# Altium PCB Tracker_v1_1_small_1.PcbDoc (continued)
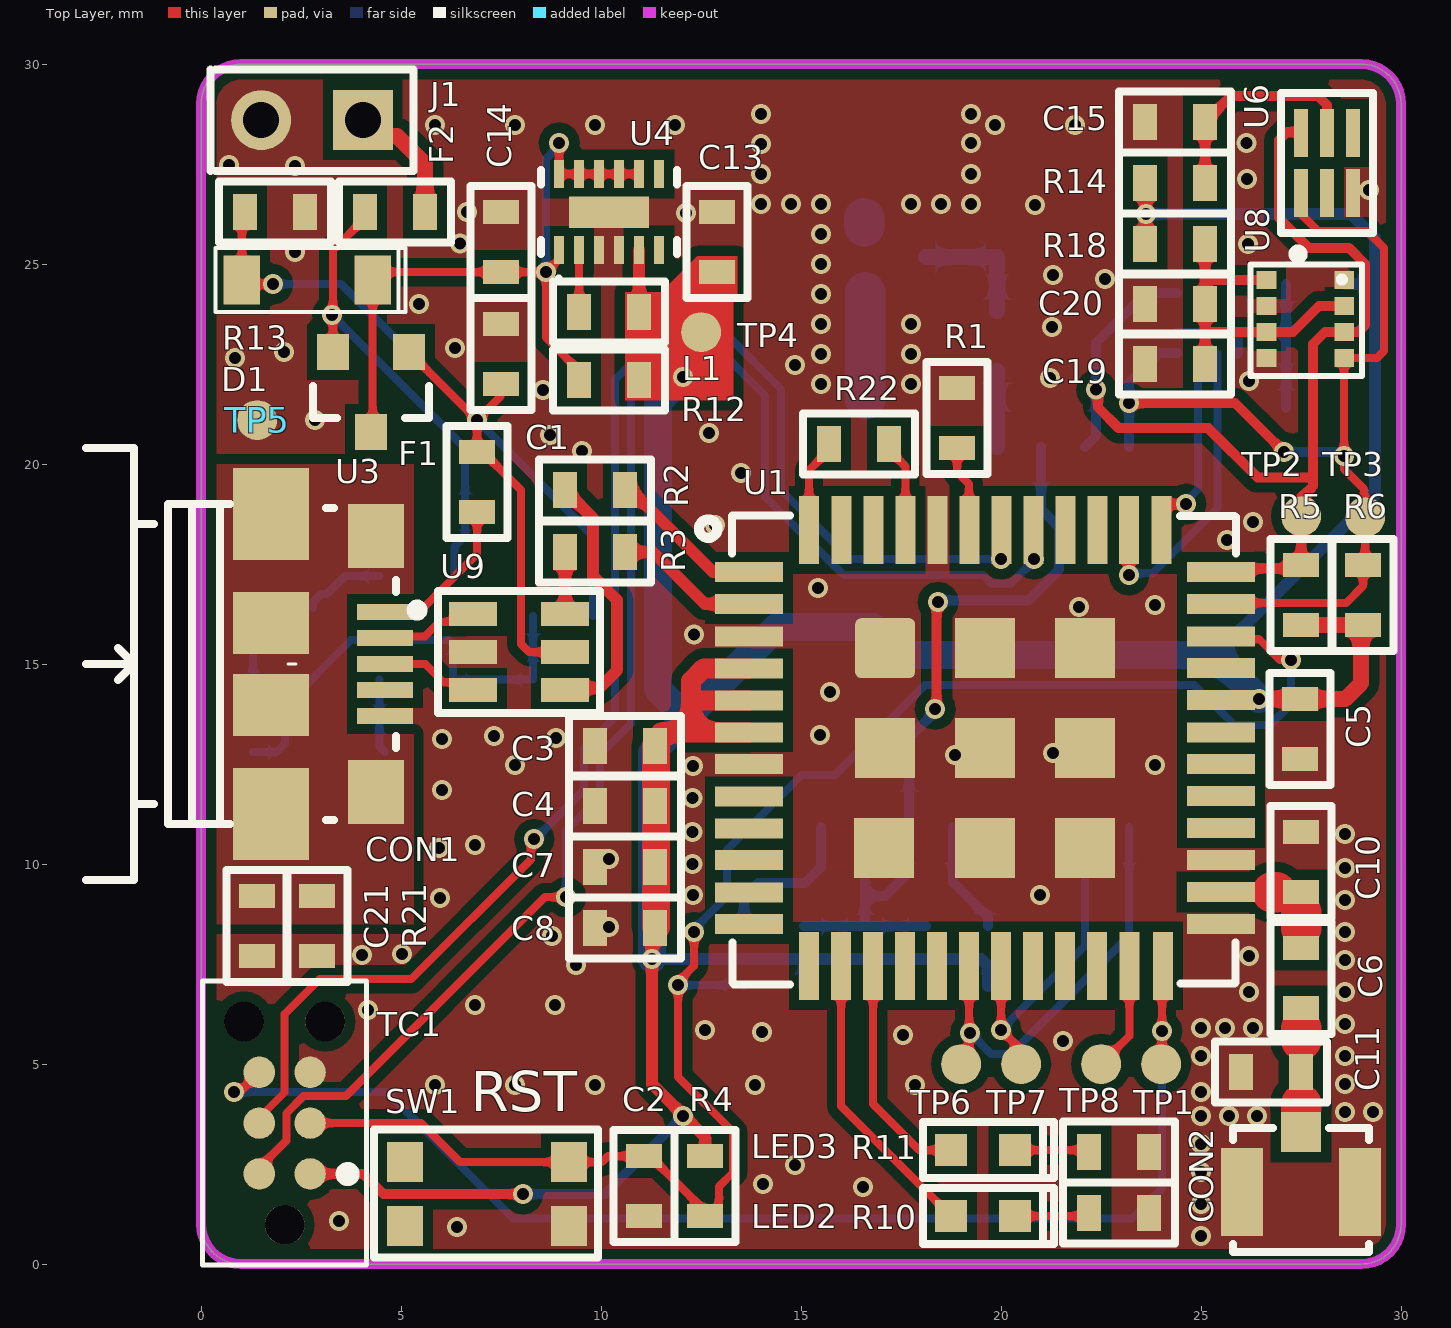
[diagram p0: Top Layer view]
## Footprints (in the part's own frame and the unit in brackets; to place one, negate y for a bottom-side part, rotate by r counter-clockwise, add the part's x,y. Pads: shape width x height; smd on the part's side, far side on the other; paste and mask are expansions set on the pad) (continued)
  round 39.02 hole 39.02 unplated: None(-100,0) None(100,-40) None(100,40)
  silkscreen extent -140,-81 140,81
"TEST POINT 1X1mm"#1 [mm]
  round 1 smd far side paste-10: 0(1.2,0.1)
  rect 1x1 on Mech16 paste-10: 1(0,0)
"TEST POINT 1X1mm"#2 [mm]
  round 1 smd paste-10: 0(0,0)
  rect 1x1 on Mech16 paste-10: 1(0,0)
"TEST POINT 1X1mm"#3 [mm]
  round 1 smd paste-10: 0(-0.2,-0.075)
  rect 1x1 on Mech16 paste-10: 1(0,0)
"TEST POINT 1X1mm"#4 [mm]
  round 1 smd paste-10: 0(-0.2,-0.025)
  rect 1x1 on Mech16 paste-10: 1(0,0)
"TEST POINT 1X1mm"#5 [mm]
  round 1 smd paste-10: 0(1.15,-0.05)
  rect 1x1 on Mech16 paste-10: 1(0,0)
TPS62740DSSR [mm]
  rect 0.7x0.25 smd: 1(0,0) 2(0,-0.5) 3(0,-1) 4(0,-1.5) 5(0,-2) 6(0,-2.5) 7(1.9,-2.5) 8(1.9,-2) 9(1.9,-1.5) 10(1.9,-1) 11(1.9,-0.5) 12(1.9,0)
  rect 0.79x2 smd: 13(0.95,-1.25)
  silkscreen extent -0.76,-2.95 2,0.45, body extent -0.18,-2.8 2.08,0.3, height 0.8
TSL2591 [mm]
  rect 1.2x0.35 smd: 1(0,0) 2(0,-0.65) 3(0,-1.3) 4(1.5,-1.3) 5(1.5,-0.65) 6(1.5,0)
  silkscreen extent -1.64,-1.8 2.5,0.5, body extent -0.23,-1.87 1.77,0.53, height 0.7
"Ublox MAX M8" [mm]
  rect 1.8x0.7 smd: 1(0,0) 9(0,-8.8) 10(9.5,-8.8) 18(9.5,0)
  rect 1.8x0.8 smd: 2(0,-1.1) 3(0,-2.2) 4(0,-3.3) 5(0,-4.4) 6(0,-5.5) 7(0,-6.6) 8(0,-7.7) 11(9.5,-7.7) 12(9.5,-6.6) 13(9.5,-5.5) 14(9.5,-4.4) 15(9.5,-3.3) 16(9.5,-2.2) 17(9.5,-1.1)
  silkscreen extent -2.25,-9.44 9.51,0.66, body extent -0.21,-9.44 9.49,0.66, height 2.45
USBLC6-2SC6 [mm]
  rect 1.2x0.6 smd: 1(0,0) 2(0,-0.95) 3(0,-1.9) 4(2.3,-1.9) 5(2.3,-0.95) 6(2.3,0)
  silkscreen extent -1.53,-2.47 3.17,0.58, body extent -0.36,-2.47 2.71,0.58, height 1.39

## Part data
C1 C4 C8 C13 C14 C17 C20 C23: library part C0603C106M8PACTU, "CAP CER 10UF 10V X5R 0603", Manufacturer=KEMET, Supplier Part Number 1=2820985RL, Manufacturer Part Number=C0603C106M8PACTU, Pricing 1="150=0.424, 500=0.311, 1000=0.26 (EUR)", Stock 1=0, Supplier 1=Farnell
C2 C3 C7 C9 C10 C11 C18 C19 C21 C22: library part C0603C104J3RACTU, "CAP CER 0.1UF 25V X7R 0603", Capacitance=100nF, Case/Package=0603, Case Code (Metric)=1608, Dielectric=X7R, Dielectric Material=Ceramic, Manufacturer=KEMET, Max Operating Temperature=125°C, Min Operating Temperature=-55°C, Package Quantity=4000, Supplier Part Number 1=1650833RL, Tolerance=5%, Voltage=25V, Case Code (Imperial)=0603, ComponentLink1Description=https://www.verical.com/server-webapp/html/getDatasheet?partID=33575&src-supplier=Verical, ComponentLink1URL=https://www.verical.com/server-webapp/html/getDatasheet?partID=33575&src-supplier=Verical, ComponentLink2Description=http://www.farnell.com/datasheets/1851736.pdf?src-supplier=Element14, ComponentLink2URL=http://www.farnell.com/datasheets/1851736.pdf?src-supplier=Element14, ComponentLink3Description=https://www.alliedelec.com/m/d/9bfe7773041ffe9d406e68bc7b377fdd.pdf?src-supplier=Allied+Electronics, ComponentLink3URL=https://www.alliedelec.com/m/d/9bfe7773041ffe9d406e68bc7b377fdd.pdf?src-supplier=Allied+Electronics, ComponentLink4Description=http://www.kemet.com/kemet/web/homepage/kechome.nsf/vapubfiles/KEM_C1002_X7R_SMD.pdf/$file/KEM_C1002_X7R_SMD.pdf?src-supplier=Element14, ComponentLink4URL=http://www.kemet.com/kemet/web/homepage/kechome.nsf/vapubfiles/KEM_C1002_X7R_SMD.pdf/$file/KEM_C1002_X7R_SMD.pdf?src-supplier=Element14, Contact Plating=Tin,Matte, Depth=0.8mm, Height=0.8mm, Lead Pitch=0.7mm, Length=1.6mm, Manufacturer Part Number=C0603C104J3RACTU, Mount="Surface Mount,PCB", Number of Pins=2, Packaging="Tape and Reel", Pricing 1="150=0.158, 500=0.132, 1000=0.12 (EUR)", Radiation Hardening=No, REACH SVHC="No SVHC", Stock 1=0, Supplier 1=Farnell, Termination=SMD/SMT, Thickness=0.034inch, Voltage Rating=25V, Voltage Rating (DC)=25V, Width=0.031inch
C5 C15: library part C0603C105K8RACTU, "Cap Ceramic 1uF 10V X7R 10% SMD 0603 125C T/R", Case/Package=0603, Case Code (Metric)=1608, Dielectric=X7R, Dielectric Material=Ceramic, Manufacturer=KEMET, Max Operating Temperature=125°C, Min Operating Temperature=-55°C, Package Quantity=1, Supplier Part Number 1=2522396RL, Tolerance=10%, Voltage Rating=10V, Capacitance=1uF, Case Code (Imperial)=0603, ComponentLink1Description=https://www.verical.com/server-webapp/html/getDatasheet?partID=212378&src-supplier=Verical, ComponentLink1URL=https://www.verical.com/server-webapp/html/getDatasheet?partID=212378&src-supplier=Verical, Contact Plating=Tin,Matte, Depth=0.8mm, Dissipation Factor=5%, Height=0.8mm, Length=1.6mm, Manufacturer Part Number=C0603C105K8RACTU, Mount="Surface Mount", Packaging="Tape and Reel", Pricing 1="150=0.0567, 500=0.0425, 1000=0.0372 (EUR)", Radiation Hardening=No, REACH SVHC="No SVHC", Stock 1=0, Supplier 1=Farnell, Termination=SMD/SMT, Thickness=0.035inch, Voltage Rating (DC)=10V, Width=0.8mm
C6: library part C0603C101K5GACTU, "Cap Ceramic 100pF 50V C0G 10% SMD 0603 125C Paper T/R", Case/Package=0603, Case Code (Metric)=1608, Dielectric=C0G, Dielectric Material=Ceramic, Manufacturer=KEMET, Max Operating Temperature=125°C, Min Operating Temperature=-55°C, Package Quantity=1, Supplier Part Number 1=1823375, Tolerance=10%, Voltage Rating=50V, Capacitance=100pF, Case Code (Imperial)=0603, ComponentLink1Description=http://www.onlinecomponents.com/productFiles/mf-KEM/kem_c1003_c0g_smd.pdf?src-supplier=Onlinecomponents.com, ComponentLink1URL=http://www.onlinecomponents.com/productFiles/mf-KEM/kem_c1003_c0g_smd.pdf?src-supplier=Onlinecomponents.com, ComponentLink2Description=https://www.verical.com/server-webapp/html/getDatasheet?partID=77366&src-supplier=Verical, ComponentLink2URL=https://www.verical.com/server-webapp/html/getDatasheet?partID=77366&src-supplier=Verical, ComponentLink3Description=http://www.farnell.com/datasheets/1828801.pdf?src-supplier=Element14, ComponentLink3URL=http://www.farnell.com/datasheets/1828801.pdf?src-supplier=Element14, ComponentLink4Description=http://www.mouser.com/ds/2/212/KEM_C1003_C0G_SMD-1101588.pdf?src-supplier=Mouser, ComponentLink4URL=http://www.mouser.com/ds/2/212/KEM_C1003_C0G_SMD-1101588.pdf?src-supplier=Mouser, Contact Plating=Tin,Matte, Depth=0.8mm, Dissipation Factor=0.1%, Height=0.8mm, Lead Free="Lead Free", Lead Pitch=0.7mm, Length=1.6mm, Manufacturer Part Number=C0603C101K5GACTU, Mount="Surface Mount,PCB", Packaging="Tape and Reel", Radiation Hardening=No, REACH SVHC="No SVHC", Stock 1=0, Supplier 1=Farnell, Termination=SMD/SMT, Thickness=0.034inch, Voltage Rating (DC)=50V, Width=0.031inch
C12: library part C0603C475K9PACTU, "CAP CER 4.7UF 6.3V X5R 0603", Case/Package=0603, Case Code (Metric)=1608, Dielectric=X5R, Dielectric Material=Ceramic, Manufacturer=KEMET, Max Operating Temperature=85°C, Min Operating Temperature=-55°C, Package Quantity=1, Supplier Part Number 1=1310155, Tolerance=10%, Voltage=6.3V, Capacitance=4.7uF, Case Code (Imperial)=0603, ComponentLink1Description=https://api.kemet.com/component-edge/download/datasheet/C0603C475K9PACTU.pdf?src-supplier=Digi-Key, ComponentLink1URL=https://api.kemet.com/component-edge/download/datasheet/C0603C475K9PACTU.pdf?src-supplier=Digi-Key, ComponentLink2Description=http://www.farnell.com/datasheets/1732700.pdf?src-supplier=Element14, ComponentLink2URL=http://www.farnell.com/datasheets/1732700.pdf?src-supplier=Element14, ComponentLink3Description=http://www.farnell.com/datasheets/1789732.pdf?src-supplier=Element14, ComponentLink3URL=http://www.farnell.com/datasheets/1789732.pdf?src-supplier=Element14, ComponentLink4Description=http://www.farnell.com/datasheets/40889.pdf?src-supplier=Element14, ComponentLink4URL=http://www.farnell.com/datasheets/40889.pdf?src-supplier=Element14, Contact Plating=Tin,Matte, Depth=0.8mm, Dissipation Factor=5%, Height=0.8mm, Lead Free="Lead Free", Lead Pitch=0.7mm, Length=1.6mm, Manufacturer Part Number=C0603C475K9PACTU, Mount="Surface Mount,PCB", Number of Pins=2, Packaging="Tape and Reel", Radiation Hardening=No, REACH SVHC="No SVHC", Stock 1=0, Supplier 1=Farnell, Termination=SMD/SMT, Thickness=0.035inch, Voltage Rating=6.3V, Voltage Rating (DC)=6.3V, Width=0.031inch
C16: library part C0603C103J3GACTU, "0603 C 10nF Ceramic Multilayer Capacitor, 25 V, +125degC, C0G Dielectric, +/-5%", Case/Package=0603, Case Code (Metric)=1608, Dielectric=C0G, Dielectric Material=Ceramic, Manufacturer=KEMET, Max Operating Temperature=125°C, Min Operating Temperature=-55°C, Package Quantity=4000, Supplier Part Number 1=C0603C103J3GACTU-ND, Temperature Coefficient=30ppm/°C, Tolerance=5%, Voltage=50V, Voltage Rating=25V, Capacitance=10nF, Case Code (Imperial)=0603, ComponentLink1Description=https://www.verical.com/server-webapp/html/getDatasheet?partID=556319&src-supplier=Verical, ComponentLink1URL=https://www.verical.com/server-webapp/html/getDatasheet?partID=556319&src-supplier=Verical, ComponentLink2Description=http://www.farnell.com/datasheets/2315092.pdf?src-supplier=Farnell, ComponentLink2URL=http://www.farnell.com/datasheets/2315092.pdf?src-supplier=Farnell, ComponentLink3Description=http://www.farnell.com/datasheets/1732695.pdf?src-supplier=Element14, ComponentLink3URL=http://www.farnell.com/datasheets/1732695.pdf?src-supplier=Element14, ComponentLink4Description=http://www.mouser.com/ds/2/212/KEM_C1003_C0G_SMD-1101588.pdf?src-supplier=Mouser, ComponentLink4URL=http://www.mouser.com/ds/2/212/KEM_C1003_C0G_SMD-1101588.pdf?src-supplier=Mouser, Contact Plating=Tin,Matte, Depth=0.8mm, Dissipation Factor=0.1%, Height=0.8mm, Lead Free="Lead Free", Length=1.6mm, Manufacturer Part Number=C0603C103J3GACTU, Mount="Surface Mount", Number of Pins=2, Packaging="Tape and Reel", Radiation Hardening=No, REACH SVHC="No SVHC", Stock 1=0, Supplier 1=Digi-Key, Termination=SMD/SMT, Thickness=0.034inch, Voltage Rating (DC)=25V, Width=0.8mm
CON1: "AMPHENOL FCI - 10104110-0001LF - MICRO USB, 2.0 TYPE B, RECEPTACLE, SMT", Manufacturer="AMPHENOL FCI", Manufacturer Part Number=10104110-0001LF, Supplier Part Number 1=2293753, ComponentLink1Description=http://www.farnell.com/datasheets/1469072.pdf, ComponentLink1URL=http://www.farnell.com/datasheets/1469072.pdf, Connector Mounting="Surface Mount", Connector Type="USB Micro B", Contact Material="Copper Alloy", Contact Plating="Gold Plated Contacts", Contact Termination="Surface Mount Right Angle", Contact Termination Type="Surface Mount", Gender=Receptacle, No. of Contacts="5Contacts<!--FANDB--><div class=\"features-and-benefits-container\"><div class=\"features-and-benefits-description\"><span class=\"features-benefits-value\">The 10104110-0001LF is a micro-USB type-B Receptacle Connector, comply with physical, electrical and environmental requirements of micro-USB standard (USB 2.0). Space receptacles and plugs are available in a wide variety of mounting and termination configurations, permitting their use in various applications. Compared with the standard mini-B connectors, the size is reduced by approximately 60% while still allowing a high-speed data transfer of 480", No. of Positions=5, Orientation="Right Angle", Pricing 1="1=0.464, 10=0.451, 25=0.437, 50=0.424, 100=0.41, 250=0.291 (GBP)", Product Range=-, RoHS=YES, Stock 1=25585, Supplier 1=Farnell, SVHC="No SVHC (15-Jun-2015)", USB Connector Type="Micro USB Type B", USB Standard="USB 2.0"
CON2 CON3: "RF Connectors / Coaxial Connectors MCX V PCB JACK SMT 1.25MM MNT HGT", Frequency=6GHz, Insulation Resistance=500MR, Manufacturer=Molex, Max Operating Temperature=90°C, Min Operating Temperature=-40°C, Package Quantity=5000, Supplier Part Number 1=1340200, Voltage Rating=60V, Body Material="Liquid Crystal Polymer,Polymer", Body Plating=Gold, ComponentLink1Description=http://www.molex.com/webdocs/datasheets/pdf/en-us/0734120110_RF_COAX_CONNECTORS.pdf?src-supplier=Avnet+Europe, ComponentLink1URL=http://www.molex.com/webdocs/datasheets/pdf/en-us/0734120110_RF_COAX_CONNECTORS.pdf?src-supplier=Avnet+Europe, ComponentLink2Description=http://uk.rs-online.com/webdocs/13c4/0900766b813c49d5.pdf?src-supplier=RSComponents, ComponentLink2URL=http://uk.rs-online.com/webdocs/13c4/0900766b813c49d5.pdf?src-supplier=RSComponents, ComponentLink3Description=http://www.farnell.com/datasheets/1841262.pdf?src-supplier=Farnell, ComponentLink3URL=http://www.farnell.com/datasheets/1841262.pdf?src-supplier=Farnell, ComponentLink4Description=http://www.molex.com/webdocs/datasheets/pdf/en-us/0734120110_RF_COAX_CONNECTORS.pdf?src-supplier=Mouser, ComponentLink4URL=http://www.molex.com/webdocs/datasheets/pdf/en-us/0734120110_RF_COAX_CONNECTORS.pdf?src-supplier=Mouser, ComponentLink5Description=http://www.onlinecomponents.com/productFiles/mf-MOL/1387750734120110_rf_coax_nectors.pdf?src-supplier=Onlinecomponents.com, ComponentLink5URL=http://www.onlinecomponents.com/productFiles/mf-MOL/1387750734120110_rf_coax_nectors.pdf?src-supplier=Onlinecomponents.com, ComponentLink6Description=http://www.farnell.com/datasheets/1808577.pdf?src-supplier=Element14, ComponentLink6URL=http://www.farnell.com/datasheets/1808577.pdf?src-supplier=Element14, ComponentLink7Description=http://www.molex.com/webdocs/datasheets/pdf/en-us/0734120110_RF_COAX_CONNECTORS.pdf?src-supplier=Avnet, ComponentLink7URL=http://www.molex.com/webdocs/datasheets/pdf/en-us/0734120110_RF_COAX_CONNECTORS.pdf?src-supplier=Avnet, Connector Type=Coaxial, Contact Material=Brass,Bronze, Contact Plating=Gold, Gender=Female, Halogen Free="Low Halogen", Impedance=50R, Lead Free="Lead Free", Manufacturer Part Number=73412-0110, Material=Bronze, Mating Cycles=30, Max Frequency=6GHz, Mount="PCB,Surface Mount,Through Hole", Orientation=Straight, Packaging="Tape and Reel", Polarity=Standard, Pricing 1="1=0.402, 150=0.368, 400=0.334, 1250=0.327, 2500=0.32 (EUR)", Radiation Hardening=No, REACH SVHC=Unknown, Stock 1=4654, Supplier 1=Farnell, Termination=Solder, Voltage Rating (AC)=60V
D1: "DIODE SCHOTTKY 20V 1A SOD123FL", Average Rectified Current=1A, Forward Voltage=340mV, Manufacturer="ON Semiconductor", Max Forward Surge Current (Ifsm)=45A, Max Operating Temperature=125°C, Max Repetitive Reverse Voltage (Vrrm)=20V, Max Reverse Leakage Current=600uA, Min Operating Temperature=-65°C, Package Quantity=3000, Supplier Part Number 1=2393584, ComponentLink1Description=http://www.farnell.com/datasheets/85900.pdf?src-supplier=Element14, ComponentLink1URL=http://www.farnell.com/datasheets/85900.pdf?src-supplier=Element14, ComponentLink2Description=http://www.onsemi.cn/pub_link/Collateral/MBR120VLSFT1-D.PDF?src-supplier=Avnet+Europe, ComponentLink2URL=http://www.onsemi.cn/pub_link/Collateral/MBR120VLSFT1-D.PDF?src-supplier=Avnet+Europe, ComponentLink3Description=https://www.alliedelec.com/m/d/71572cff3445748bb7aa75769c4030bb.pdf?src-supplier=Allied+Electronics, ComponentLink3URL=https://www.alliedelec.com/m/d/71572cff3445748bb7aa75769c4030bb.pdf?src-supplier=Allied+Electronics, ComponentLink4Description=http://www.onsemi.com/pub/Collateral/MBR120VLSFT1-D.PDF?src-supplier=Future+Electronics, ComponentLink4URL=http://www.onsemi.com/pub/Collateral/MBR120VLSFT1-D.PDF?src-supplier=Future+Electronics, ComponentLink5Description=http://www.onsemi.com/pub/Collateral/MBR120VLSFT1-D.PDF?src-supplier=Digi-Key, ComponentLink5URL=http://www.onsemi.com/pub/Collateral/MBR120VLSFT1-D.PDF?src-supplier=Digi-Key, ComponentLink6Description=http://www.onsemi.cn/pub_link/Collateral/MBR120VLSFT1-D.PDF?src-supplier=Avnet+Asia, ComponentLink6URL=http://www.onsemi.cn/pub_link/Collateral/MBR120VLSFT1-D.PDF?src-supplier=Avnet+Asia, Contact Plating=Tin,Matte, Current Rating=1A, Element Configuration=Single, Forward Current=1A, Halogen Free="Halogen Free", Height=0.9mm, Lead Free="Lead Free", Length=2.9mm, Manufacturer Part Number=MBR120VLSFT1G, Max Reverse Voltage (DC)=20V, Max Surge Current=45A, Number of Pins=2, Output Current=1A, Packaging="Tape and Reel", Peak Non-Repetitive Surge Current=45A, Peak Reverse Current=600uA, Polarity=Standard, Radiation Hardening=No, REACH SVHC="No SVHC", Stock 1=0, Supplier 1=Farnell, Voltage Rating (DC)=20V, Width=1.8mm
F1 F2: library part 046701.5NR, "FUSE BOARD MNT 1.5A 32VAC 65VDC", Case/Package=0603, Case Code (Metric)=1608, DC Cold Resistance=38.5mR, Manufacturer=Littelfuse, Max Operating Temperature=90°C, Min Operating Temperature=-55°C, Package Quantity=5000, Power Dissipation=121.7mW, Resistance=41mR, Supplier Part Number 1=1596948RL, Voltage Rating=32V, Approvals=UL,CSA, Body Material=Thermoplastic, Case Code (Imperial)=0603, ComponentLink1Description=http://www.farnell.com/datasheets/1851810.pdf?src-supplier=Element14, ComponentLink1URL=http://www.farnell.com/datasheets/1851810.pdf?src-supplier=Element14, ComponentLink2Description=http://www.littelfuse.com/~/media/electronics/datasheets/fuses/littelfuse_fuse_467_datasheet.pdf.pdf?src-supplier=Digi-Key, ComponentLink2URL=http://www.littelfuse.com/~/media/electronics/datasheets/fuses/littelfuse_fuse_467_datasheet.pdf.pdf?src-supplier=Digi-Key, ComponentLink3Description=http://www.littelfuse.com/data/en/Data_Sheets/467.pdf?src-supplier=Future+Electronics, ComponentLink3URL=http://www.littelfuse.com/data/en/Data_Sheets/467.pdf?src-supplier=Future+Electronics, ComponentLink4Description=https://www.verical.com/server-webapp/html/getDatasheet?partID=772543&src-supplier=Verical, ComponentLink4URL=https://www.verical.com/server-webapp/html/getDatasheet?partID=772543&src-supplier=Verical, Composition="Thin Film", Current Rating=1.5A, Depth=0.81mm, Fuse Current=1.5A, Fuse Type="Board Mount (Cartridge Style Excluded)", Height=0.012inch, Lead Free="Lead Free", Length=1.6mm, Manufacturer Part Number=046701.5NR, Mount="Surface Mount", Number of Pins=2, Packaging="Tape and Reel", Radiation Hardening=No, REACH SVHC=Unknown, Stock 1=0, Supplier 1=Farnell, Termination=SMD/SMT, Voltage Rating (AC)=32V, Voltage Rating (DC)=32V, Width=0.813mm, Working Voltage=32V
J1: library part "Header 2x1"
L1: library part L1210R2R2MDWIT, "FIXED IND 2.2UH 2A 80 MOHM SMD", Case/Package=1210, Case Code (Metric)=3225, Current Rating=2A, DC Current=1.13A, DC Resistance (DCR)=80mR, Inductance Tolerance=20%, Manufacturer=KEMET, Max Operating Temperature=105°C, Min Operating Temperature=-40°C, Package Quantity=1000, Self Resonant Frequency=190MHz, Supplier Part Number 1=399-9598-6-ND, Test Frequency=100kHz, Case Code (Imperial)=1210, ComponentLink1Description=https://content.kemet.com/datasheets/F3115.pdf?src-supplier=Mouser, ComponentLink1URL=https://content.kemet.com/datasheets/F3115.pdf?src-supplier=Mouser, ComponentLink2Description=https://content.kemet.com/datasheets/F3115.pdf?src-supplier=Avnet+Europe, ComponentLink2URL=https://content.kemet.com/datasheets/F3115.pdf?src-supplier=Avnet+Europe, ComponentLink3Description=http://www.farnell.com/datasheets/27262.pdf?src-supplier=Element14, ComponentLink3URL=http://www.farnell.com/datasheets/27262.pdf?src-supplier=Element14, ComponentLink4Description=https://api.kemet.com/component-edge/download/datasheet/L1210R2R2MDWIT.pdf?src-supplier=Digi-Key, ComponentLink4URL=https://api.kemet.com/component-edge/download/datasheet/L1210R2R2MDWIT.pdf?src-supplier=Digi-Key, ComponentLink5Description=http://www.kemet.com/Lists/ProductCatalog/Attachments/57/F3115.pdf?src-supplier=Avnet, ComponentLink5URL=http://www.kemet.com/Lists/ProductCatalog/Attachments/57/F3115.pdf?src-supplier=Avnet, Composition=Ceramic,Wirewound, Core Material=Ferrite, Depth=2.7mm, Height=2.5mm, Height - Seated (Max)=0.106inch, Inductance=2.2uH, Length=0.126inch, Manufacturer Part Number=L1210R2R2MDWIT, Max DC Current=2A, Military Standard=Not, Mount="Surface Mount", Packaging="Tape and Reel", Pricing 1="1=0.55, 10=0.479, 100=0.3421, 500=0.2874 (USD)", Radiation Hardening=No, REACH SVHC="No SVHC", Shielding=Unshielded, Stock 1=17546, Supplier 1=Digi-Key, Termination=SMD/SMT, Tolerance=20%, Width=0.098inch
L2: library part LQG18HN27NJ00D, "Inductor RF Chip Multi-Layer 27nH 5% 100MHz 12Q-Factor Air 300mA 550mOhm DCR 0603 T/R", Case/Package=0603, Case Code (Metric)=1608, Current Rating=300mA, DC Resistance (DCR)=550mR, Inductance Tolerance=5%, Manufacturer=Murata, Max Operating Temperature=85°C, Min Operating Temperature=-55°C, Package Quantity=4000, Self Resonant Frequency=2GHz, Supplier Part Number 1=490-6579-2-ND, Test Frequency=100MHz, Case Code (Imperial)=0603, ComponentLink1Description=http://search.murata.co.jp/Ceramy/image/img/P02/JELF243B-0002.pdf?src-supplier=Digi-Key, ComponentLink1URL=http://search.murata.co.jp/Ceramy/image/img/P02/JELF243B-0002.pdf?src-supplier=Digi-Key, ComponentLink2Description=http://www.farnell.com/datasheets/5102.pdf?src-supplier=Element14, ComponentLink2URL=http://www.farnell.com/datasheets/5102.pdf?src-supplier=Element14, ComponentLink3Description=http://psearch.en.murata.com/inductor/product/LQG18HN27NJ00_.pdf?src-supplier=Digi-Key, ComponentLink3URL=http://psearch.en.murata.com/inductor/product/LQG18HN27NJ00_.pdf?src-supplier=Digi-Key, ComponentLink4Description=http://search.murata.co.jp/Ceramy/image/img/PDF/ENG/L0075S0083LQG18H.pdf?src-supplier=Avnet, ComponentLink4URL=http://search.murata.co.jp/Ceramy/image/img/PDF/ENG/L0075S0083LQG18H.pdf?src-supplier=Avnet, ComponentLink5Description=http://search.murata.co.jp/Ceramy/image/img/PDF/ENG/L0075S0083LQG18H.pdf?src-supplier=Avnet+Europe, ComponentLink5URL=http://search.murata.co.jp/Ceramy/image/img/PDF/ENG/L0075S0083LQG18H.pdf?src-supplier=Avnet+Europe, ComponentLink6Description=http://uk.rs-online.com/webdocs/0f10/0900766b80f1087c.pdf?src-supplier=RSComponents, ComponentLink6URL=http://uk.rs-online.com/webdocs/0f10/0900766b80f1087c.pdf?src-supplier=RSComponents, Core Material=Air, DC Current=300mA, Depth=0.95mm, Height=0.8mm, Height - Seated (Max)=0.037inch, Inductance=27nH, Lead Free="Lead Free", Length=0.063inch, Manufacturer Part Number=LQG18HN27NJ00D, Max DC Current=300mA, Military Standard=Not, Mount="Surface Mount", Packaging="Tape and Reel", Q Factor=12, Radiation Hardening=No, REACH SVHC="No SVHC", Shielding=Unshielded, Stock 1=0, Supplier 1=Digi-Key, Termination=SMD/SMT, Tolerance=5%, Width=0.8mm
LED1 LED2 LED3: library part KP-1608CGCK, "KINGBRIGHT - KP-1608CGCK - LED, 0603, 50MCD, GREEN", Case/Package=1608, Color=Green, Forward Current=20mA, Forward Voltage=2.1V, Lens Color=Clear, Manufacturer=Kingbright, Supplier Part Number 1=2290328, ComponentLink1Description=http://www.farnell.com/datasheets/2045956.pdf?src-supplier=Element14, ComponentLink1URL=http://www.farnell.com/datasheets/2045956.pdf?src-supplier=Element14, ComponentLink2Description=http://www.rapidonline.com/pdf/72-8670.pdf?src-supplier=Rapid+Electronics, ComponentLink2URL=http://www.rapidonline.com/pdf/72-8670.pdf?src-supplier=Rapid+Electronics, Dominant Wavelength=570nm, Height=1.1mm, Length=0.8mm, Lens Style=Rectangular,Diffused,Colorless, Luminous Intensity=50mcd, Manufacturer Part Number=KP-1608CGCK, Mount="Surface Mount", Number of LEDs=1, Number of Pins=2, Packaging="Tape and Reel", Pricing 1="5=0.157, 50=0.143, 100=0.0934, 500=0.0789, 1000=0.0621 (EUR)", Radiation Hardening=No, REACH SVHC="No SVHC", Stock 1=18535, Supplier 1=Farnell, Viewing Angle=120°, Wavelength=570nm, Width=1.6mm
R1 R4: library part CR0603-JW-103EAS, "RES 10K OHM 5% 0.01W 0603", Manufacturer=Bourns, Supplier Part Number 1=2752989RL, Manufacturer Part Number=CR0603-JW-103EAS, Pricing 1="150=0.0181, 500=0.0155, 1000=0.007 (EUR)", Stock 1=0, Supplier 1=Farnell
R2 R3: library part CRCW060327R0FKEA, "RES SMD 27 OHM 1% 1/10W 0603", Case/Package=0603, Case Code (Metric)=1608, Manufacturer=Vishay, Max Operating Temperature=155°C, Min Operating Temperature=-55°C, Package Quantity=5000, Power Rating=100mW, Supplier Part Number 1=1151876, Temperature Coefficient=100ppm/°C, Tolerance=1%, Voltage Rating=75V, Case Code (Imperial)=0603, ComponentLink1Description=http://www.mouser.com/ds/2/427/dcrcwe3-109170.pdf?src-supplier=Mouser, ComponentLink1URL=http://www.mouser.com/ds/2/427/dcrcwe3-109170.pdf?src-supplier=Mouser, ComponentLink2Description=http://www.farnell.com/datasheets/2046716.pdf?src-supplier=Element14, ComponentLink2URL=http://www.farnell.com/datasheets/2046716.pdf?src-supplier=Element14, ComponentLink3Description=http://www.farnell.com/datasheets/1697337.pdf?src-supplier=Element14, ComponentLink3URL=http://www.farnell.com/datasheets/1697337.pdf?src-supplier=Element14, ComponentLink4Description=http://www.farnell.com/datasheets/2111203.pdf?src-supplier=Element14, ComponentLink4URL=http://www.farnell.com/datasheets/2111203.pdf?src-supplier=Element14, ComponentLink5Description=http://uk.rs-online.com/webdocs/0d98/0900766b80d98afc.pdf?src-supplier=RSComponents, ComponentLink5URL=http://uk.rs-online.com/webdocs/0d98/0900766b80d98afc.pdf?src-supplier=RSComponents, ComponentLink6Description=http://www.vishay.com/docs/20035/dcrcwe3.pdf?src-supplier=Avnet+Europe, ComponentLink6URL=http://www.vishay.com/docs/20035/dcrcwe3.pdf?src-supplier=Avnet+Europe, ComponentLink7Description=http://www.alliedelec.com/m/d/0c934d6939ccefa68dbe0b96d821c8cf.pdf?src-supplier=Allied+Electronics, ComponentLink7URL=http://www.alliedelec.com/m/d/0c934d6939ccefa68dbe0b96d821c8cf.pdf?src-supplier=Allied+Electronics, ComponentLink8Description=http://www.vishay.com/docs/20035/dcrcwe3.pdf?src-supplier=Future+Electronics, ComponentLink8URL=http://www.vishay.com/docs/20035/dcrcwe3.pdf?src-supplier=Future+Electronics, Composition="Thick Film", Contact Plating=Tin, Depth=0.85mm, Height=0.45mm, Lead Free="Lead Free", Length=1.55mm, Manufacturer Part Number=CRCW060327R0FKEA, Military Standard=Not, Mount="Surface Mount", Number of Pins=2, Packaging="Tape and Reel", Radiation Hardening=No, REACH SVHC=Unknown, Resistance=27R, Stock 1=0, Supplier 1=Farnell, Termination=SMD/SMT, Voltage Rating (DC)=75V, Weight=7.1E-05oz, Width=0.85mm
R5 R6: library part CR0603-JW-472ELF, "Res Thick Film 0603 4.7K Ohm 5% 1/10W ±200ppm/°C Molded SMD SMD Paper Tape on Plastic Reel", Case/Package=0603, Case Code (Metric)=1608, Manufacturer=Bourns, Max Operating Temperature=155°C, Max Power Dissipation=100mW, Min Operating Temperature=-55°C, Package Quantity=1, Resistance=4.7kR, Supplier Part Number 1=2371774, Temperature Coefficient=200ppm/°C, Tolerance=5%, Voltage Rating=50V, Case Code (Imperial)=0603, ComponentLink1Description=http://www.farnell.com/datasheets/2178762.pdf?src-supplier=Newark, ComponentLink1URL=http://www.farnell.com/datasheets/2178762.pdf?src-supplier=Newark, ComponentLink2Description=http://www.bourns.com/pdfs/chpreztr.pdf?src-supplier=Avnet, ComponentLink2URL=http://www.bourns.com/pdfs/chpreztr.pdf?src-supplier=Avnet, ComponentLink3Description=https://www.alliedelec.com/m/d/8318635a9e5af6f7dacb272be3e73d2e.pdf?src-supplier=Allied+Electronics, ComponentLink3URL=https://www.alliedelec.com/m/d/8318635a9e5af6f7dacb272be3e73d2e.pdf?src-supplier=Allied+Electronics, ComponentLink4Description=http://www.farnell.com/datasheets/1856384.pdf?src-supplier=Element14, ComponentLink4URL=http://www.farnell.com/datasheets/1856384.pdf?src-supplier=Element14, ComponentLink5Description=http://uk.rs-online.com/webdocs/0fcd/0900766b80fcdb72.pdf?src-supplier=RSComponents, ComponentLink5URL=http://uk.rs-online.com/webdocs/0fcd/0900766b80fcdb72.pdf?src-supplier=RSComponents, ComponentLink6Description=http://www.produktinfo.conrad.com/datenblaetter/1000000-1099999/001055503-da-01-en-SMD_WID_CR0603_JW_472ELF_4_7K_OHM_1_10W.pdf?src-supplier=Conrad, ComponentLink6URL=http://www.produktinfo.conrad.com/datenblaetter/1000000-1099999/001055503-da-01-en-SMD_WID_CR0603_JW_472ELF_4_7K_OHM_1_10W.pdf?src-supplier=Conrad, Composition="Thick Film", Contact Plating=Tin,Lead, Depth=0.8mm, Features="Moisture Resistant", Height=0.45mm, Length=1.6mm, Manufacturer Part Number=CR0603-JW-472ELF, Mount="Surface Mount", Number of Pins=2, Number of Terminations=2, Packaging="Tape and Reel", Power Rating=100mW, Radiation Hardening=No, REACH SVHC="No SVHC", Stock 1=0, Supplier 1=Farnell, Termination=SMD/SMT, Thickness=457um, Voltage Rating (DC)=50V, Width=0.8mm
R7 R10 R11: library part CR0603-JW-511ELF, "Res Thick Film 0603 510 Ohm 5% 1/10W ±200ppm/°C Molded SMD SMD Paper Tape on Plastic Reel", Case/Package=0603, Case Code (Metric)=1608, Manufacturer=Bourns, Max Operating Temperature=155°C, Max Power Dissipation=100mW, Min Operating Temperature=-55°C, Package Quantity=1, Supplier Part Number 1=2908378, Temperature Coefficient=200ppm/°C, Tolerance=5%, Voltage Rating=50V, Case Code (Imperial)=0603, ComponentLink1Description=http://www.bourns.com/pdfs/chpreztr.pdf?src-supplier=Avnet, ComponentLink1URL=http://www.bourns.com/pdfs/chpreztr.pdf?src-supplier=Avnet, ComponentLink2Description=http://www.mouser.com/ds/2/54/chpreztr-977002.pdf?src-supplier=Mouser, ComponentLink2URL=http://www.mouser.com/ds/2/54/chpreztr-977002.pdf?src-supplier=Mouser, ComponentLink3Description=https://www.bourns.com/docs/Product-Datasheets/CHPREZTR.pdf?src-supplier=Digi-Key, ComponentLink3URL=https://www.bourns.com/docs/Product-Datasheets/CHPREZTR.pdf?src-supplier=Digi-Key, Composition="Thick Film", Contact Plating=Tin, Depth=0.8mm, Features="Moisture Resistant", Height=0.022inch, Length=1.6mm, Manufacturer Part Number=CR0603-JW-511ELF, Military Standard=Not, Mount="Surface Mount", Number of Terminations=2, Packaging="Tape and Reel", Power Rating=100mW, Pricing 1="10=0.016, 100=0.0113, 500=0.0089, 1000=0.0077 (EUR)", Radiation Hardening=No, Resistance=510R, Stock 1=79590, Supplier 1=Farnell, Termination=SMD/SMT, Thickness=457um, Width=0.8mm